# KiCad board Solder.kicad_pcb (continued)
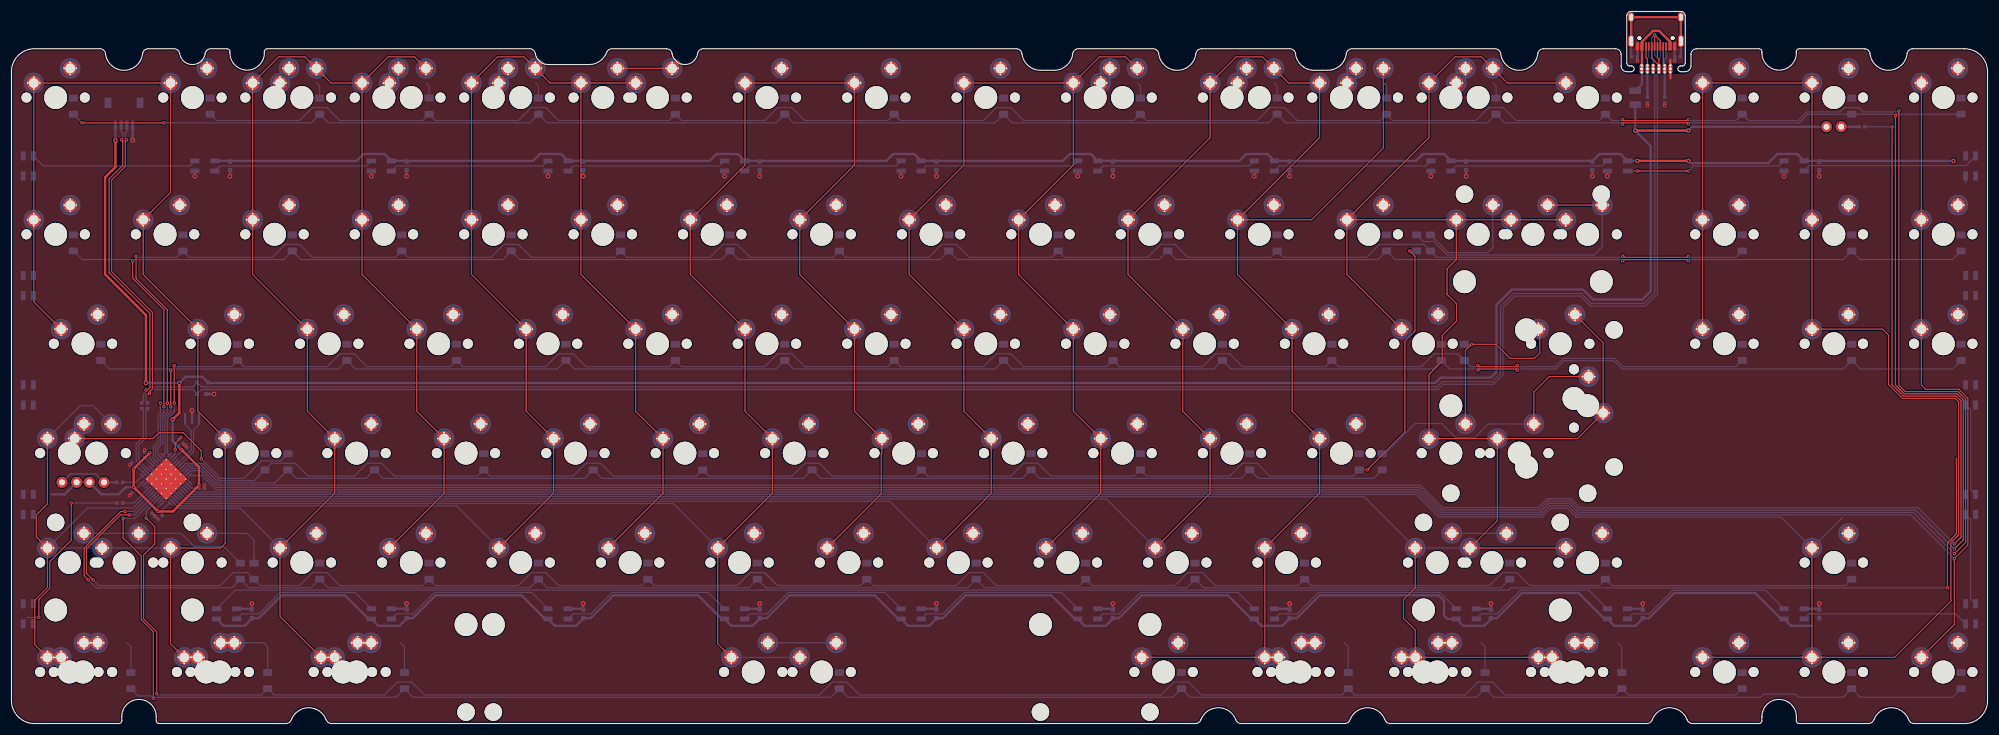
[diagram p0: board, top side]
## Copper pours and planes (outline as drawn; the poured copper is in the pictures) (continued)
C5 on Top: 238.93,111.58 238.93,111.68 238.93,111.78 238.94,111.87 238.96,111.96 238.97,112.04 238.99,112.12 239.01,112.19 239.04,112.25 239.07,112.32 239.1,112.37 239.13,112.43 239.16,112.48 239.2,112.53 239.24,112.58 239.59,112.97 239.63,113.03 239.68,113.09 239.73,113.15 239.77,113.21 239.82,113.28 239.86,113.36 239.91,113.44 239.95,113.52 238.83,114.69 237.7,113.52 237.74,113.44 237.79,113.36 237.83,113.28 237.88,113.21 237.93,113.15 237.97,113.09 238.02,113.03 238.07,112.97 238.41,112.58 238.45,112.53 238.49,112.48 238.52,112.43 238.56,112.37 238.59,112.32 238.61,112.25 238.64,112.19 238.66,112.12 238.68,112.04 238.7,111.96 238.71,111.87 238.72,111.78 238.72,111.68 238.73,111.58
C5 on Bottom: 197.31,32.25 197.38,32.18 197.45,32.1 197.51,32.03 197.56,31.96 197.6,31.89 197.64,31.83 197.68,31.76 197.71,31.7 197.73,31.63 197.75,31.57 197.77,31.51 197.78,31.45 197.79,31.38 197.8,31.32 197.83,30.8 197.83,30.73 197.84,30.65 197.85,30.58 197.87,30.5 197.88,30.42 197.9,30.33 197.93,30.25 197.96,30.15 199.58,30.12 199.55,31.75 199.46,31.77 199.37,31.8 199.29,31.82 199.21,31.84 199.13,31.85 199.05,31.86 198.98,31.87 198.9,31.88 198.38,31.91 198.32,31.91 198.26,31.92 198.2,31.94 198.13,31.95 198.07,31.97 198.01,32 197.94,32.03 197.88,32.06 197.81,32.1 197.74,32.15 197.67,32.2 197.6,32.26 197.53,32.32 197.45,32.4
C6 on Top: 276.99,56.55 276.98,56.44 276.98,56.34 276.97,56.25 276.96,56.17 276.94,56.08 276.92,56.01 276.9,55.94 276.87,55.87 276.84,55.81 276.81,55.75 276.78,55.7 276.75,55.64 276.71,55.59 276.67,55.54 276.32,55.15 276.28,55.1 276.23,55.04 276.18,54.98 276.14,54.91 276.09,54.84 276.05,54.77 276,54.69 275.96,54.6 277.09,53.43 278.21,54.6 278.17,54.69 278.12,54.77 278.08,54.84 278.03,54.91 277.99,54.98 277.94,55.04 277.89,55.1 277.85,55.15 277.5,55.54 277.46,55.59 277.42,55.64 277.39,55.7 277.36,55.75 277.33,55.81 277.3,55.87 277.27,55.94 277.25,56.01 277.23,56.08 277.22,56.17 277.2,56.25 277.19,56.34 277.19,56.44 277.19,56.55
C6 on Top: 234.97,87.81 234.86,87.82 234.76,87.82 234.67,87.83 234.58,87.84 234.5,87.86 234.43,87.88 234.36,87.9 234.29,87.93 234.23,87.96 234.17,87.99 234.11,88.02 234.06,88.05 234.01,88.09 233.96,88.13 233.57,88.48 233.51,88.52 233.46,88.57 233.4,88.62 233.33,88.66 233.26,88.71 233.19,88.75 233.11,88.8 233.02,88.84 231.85,87.71 233.02,86.59 233.11,86.63 233.19,86.68 233.26,86.72 233.33,86.77 233.4,86.81 233.46,86.86 233.51,86.91 233.57,86.95 233.96,87.3 234.01,87.34 234.06,87.38 234.11,87.41 234.17,87.44 234.23,87.47 234.29,87.5 234.36,87.53 234.43,87.55 234.5,87.57 234.58,87.58 234.67,87.6 234.76,87.61 234.86,87.61 234.97,87.61
C6 on Top: 258.56,87.61 258.67,87.61 258.77,87.61 258.86,87.6 258.95,87.58 259.03,87.57 259.1,87.55 259.17,87.53 259.24,87.5 259.3,87.47 259.36,87.44 259.41,87.41 259.47,87.38 259.52,87.34 259.57,87.3 259.96,86.95 260.01,86.91 260.07,86.86 260.13,86.81 260.2,86.77 260.27,86.72 260.34,86.68 260.42,86.63 260.51,86.59 261.68,87.71 260.51,88.84 260.42,88.8 260.34,88.75 260.27,88.71 260.2,88.66 260.13,88.62 260.07,88.57 260.01,88.52 259.96,88.48 259.57,88.13 259.52,88.09 259.47,88.05 259.41,88.02 259.36,87.99 259.3,87.96 259.24,87.93 259.17,87.9 259.1,87.88 259.03,87.86 258.95,87.84 258.86,87.83 258.77,87.82 258.67,87.82 258.56,87.81
C6 on Top: 249.04,87.61 249.14,87.61 249.24,87.61 249.33,87.6 249.42,87.58 249.5,87.57 249.58,87.55 249.65,87.53 249.71,87.5 249.77,87.47 249.83,87.44 249.89,87.41 249.94,87.38 249.99,87.34 250.04,87.3 250.43,86.95 250.49,86.91 250.55,86.86 250.61,86.81 250.67,86.77 250.74,86.72 250.82,86.68 250.9,86.63 250.98,86.59 252.15,87.71 250.98,88.84 250.9,88.8 250.82,88.75 250.74,88.71 250.67,88.66 250.61,88.62 250.55,88.57 250.49,88.52 250.43,88.48 250.04,88.13 249.99,88.09 249.94,88.05 249.89,88.02 249.83,87.99 249.77,87.96 249.71,87.93 249.65,87.9 249.58,87.88 249.5,87.86 249.42,87.84 249.33,87.83 249.24,87.82 249.14,87.82 249.04,87.81
C6 on Top: 254.02,87.81 253.91,87.82 253.81,87.82 253.72,87.83 253.63,87.84 253.55,87.86 253.48,87.88 253.41,87.9 253.34,87.93 253.28,87.96 253.22,87.99 253.16,88.02 253.11,88.05 253.06,88.09 253.01,88.13 252.62,88.48 252.56,88.52 252.51,88.57 252.45,88.62 252.38,88.66 252.31,88.71 252.24,88.75 252.16,88.8 252.07,88.84 250.9,87.71 252.07,86.59 252.16,86.63 252.24,86.68 252.31,86.72 252.38,86.77 252.45,86.81 252.51,86.86 252.56,86.91 252.62,86.95 253.01,87.3 253.06,87.34 253.11,87.38 253.16,87.41 253.22,87.44 253.28,87.47 253.34,87.5 253.41,87.53 253.48,87.55 253.55,87.57 253.63,87.58 253.72,87.6 253.81,87.61 253.91,87.61 254.02,87.61
C6 on Top: 263.54,87.81 263.44,87.82 263.34,87.82 263.24,87.83 263.16,87.84 263.08,87.86 263,87.88 262.93,87.9 262.87,87.93 262.8,87.96 262.74,87.99 262.69,88.02 262.64,88.05 262.58,88.09 262.54,88.13 262.15,88.48 262.09,88.52 262.03,88.57 261.97,88.62 261.91,88.66 261.84,88.71 261.76,88.75 261.68,88.8 261.6,88.84 260.43,87.71 261.6,86.59 261.68,86.63 261.76,86.68 261.84,86.72 261.91,86.77 261.97,86.81 262.03,86.86 262.09,86.91 262.15,86.95 262.54,87.3 262.58,87.34 262.64,87.38 262.69,87.41 262.74,87.44 262.8,87.47 262.87,87.5 262.93,87.53 263,87.55 263.08,87.57 263.16,87.58 263.24,87.6 263.34,87.61 263.44,87.61 263.54,87.61
C6 on Top: 268.09,87.61 268.19,87.61 268.29,87.61 268.38,87.6 268.47,87.58 268.55,87.57 268.63,87.55 268.7,87.53 268.76,87.5 268.82,87.47 268.88,87.44 268.94,87.41 268.99,87.38 269.04,87.34 269.09,87.3 269.48,86.95 269.54,86.91 269.6,86.86 269.66,86.81 269.72,86.77 269.79,86.72 269.87,86.68 269.95,86.63 270.03,86.59 271.2,87.71 270.03,88.84 269.95,88.8 269.87,88.75 269.79,88.71 269.72,88.66 269.66,88.62 269.6,88.57 269.54,88.52 269.48,88.48 269.09,88.13 269.04,88.09 268.99,88.05 268.94,88.02 268.88,87.99 268.82,87.96 268.76,87.93 268.7,87.9 268.63,87.88 268.55,87.86 268.47,87.84 268.38,87.83 268.29,87.82 268.19,87.82 268.09,87.81
C6 on Top: 255.6,32.4 255.52,32.32 255.45,32.26 255.38,32.2 255.3,32.15 255.24,32.1 255.17,32.06 255.1,32.03 255.04,32 254.98,31.97 254.91,31.95 254.85,31.94 254.79,31.92 254.73,31.91 254.67,31.91 254.14,31.88 254.07,31.87 254,31.86 253.92,31.85 253.84,31.84 253.76,31.82 253.68,31.8 253.59,31.77 253.5,31.75 253.47,30.12 255.09,30.15 255.12,30.25 255.14,30.33 255.16,30.42 255.18,30.5 255.19,30.58 255.21,30.65 255.21,30.73 255.22,30.8 255.25,31.32 255.26,31.38 255.27,31.45 255.28,31.51 255.3,31.57 255.32,31.63 255.34,31.7 255.37,31.76 255.4,31.83 255.44,31.89 255.49,31.96 255.54,32.03 255.6,32.1 255.67,32.18 255.74,32.25
C6 on Top: 268.09,30.46 268.19,30.46 268.29,30.46 268.38,30.45 268.47,30.43 268.55,30.42 268.63,30.4 268.7,30.38 268.76,30.35 268.82,30.32 268.88,30.29 268.94,30.26 268.99,30.23 269.04,30.19 269.09,30.15 269.48,29.8 269.54,29.76 269.6,29.71 269.66,29.66 269.72,29.62 269.79,29.57 269.87,29.53 269.95,29.48 270.03,29.44 271.2,30.56 270.03,31.69 269.95,31.65 269.87,31.6 269.79,31.56 269.72,31.51 269.66,31.47 269.6,31.42 269.54,31.37 269.48,31.33 269.09,30.98 269.04,30.94 268.99,30.9 268.94,30.87 268.88,30.84 268.82,30.81 268.76,30.78 268.7,30.75 268.63,30.73 268.55,30.71 268.47,30.69 268.38,30.68 268.29,30.67 268.19,30.67 268.09,30.66
C6 on Top: 258.77,47.12 258.77,47.23 258.78,47.33 258.79,47.42 258.8,47.51 258.82,47.59 258.84,47.66 258.86,47.73 258.88,47.8 258.91,47.86 258.94,47.92 258.97,47.98 259.01,48.03 259.04,48.08 259.08,48.13 259.43,48.52 259.48,48.58 259.52,48.63 259.57,48.7 259.62,48.76 259.66,48.83 259.71,48.9 259.75,48.98 259.8,49.07 258.67,50.24 257.55,49.07 257.59,48.98 257.63,48.9 257.68,48.83 257.72,48.76 257.77,48.7 257.82,48.63 257.86,48.58 257.91,48.52 258.26,48.13 258.3,48.08 258.33,48.03 258.37,47.98 258.4,47.92 258.43,47.86 258.46,47.8 258.48,47.73 258.5,47.66 258.52,47.59 258.54,47.51 258.55,47.42 258.56,47.33 258.57,47.23 258.57,47.12
C6 on Top: 240.17,70.35 240.24,70.28 240.31,70.2 240.37,70.13 240.42,70.06 240.47,69.99 240.51,69.93 240.54,69.86 240.57,69.8 240.59,69.73 240.61,69.67 240.63,69.61 240.64,69.55 240.65,69.48 240.66,69.42 240.69,68.9 240.7,68.83 240.7,68.75 240.71,68.68 240.73,68.6 240.75,68.52 240.77,68.43 240.79,68.35 240.82,68.25 242.44,68.22 242.41,69.85 242.32,69.87 242.23,69.9 242.15,69.92 242.07,69.94 241.99,69.95 241.91,69.96 241.84,69.97 241.77,69.98 241.24,70.01 241.18,70.01 241.12,70.02 241.06,70.04 241,70.05 240.93,70.07 240.87,70.1 240.81,70.13 240.74,70.16 240.67,70.2 240.6,70.25 240.53,70.3 240.46,70.36 240.39,70.42 240.31,70.5
C6 on Top: 232.58,85.22 232.58,85.33 232.58,85.43 232.59,85.52 232.61,85.61 232.62,85.69 232.64,85.76 232.66,85.83 232.69,85.9 232.72,85.96 232.75,86.02 232.78,86.08 232.81,86.13 232.85,86.18 232.89,86.23 233.24,86.62 233.28,86.68 233.33,86.73 233.38,86.8 233.42,86.86 233.47,86.93 233.51,87 233.56,87.08 233.6,87.17 232.48,88.34 231.35,87.17 231.39,87.08 231.44,87 231.48,86.93 231.53,86.86 231.58,86.8 231.62,86.73 231.67,86.68 231.72,86.62 232.06,86.23 232.1,86.18 232.14,86.13 232.17,86.08 232.21,86.02 232.24,85.96 232.26,85.9 232.29,85.83 232.31,85.76 232.33,85.69 232.35,85.61 232.36,85.52 232.37,85.43 232.37,85.33 232.38,85.22
C6 on Top: 275.4,52.23 275.47,52.3 275.55,52.37 275.62,52.43 275.69,52.48 275.76,52.52 275.82,52.56 275.89,52.6 275.95,52.63 276.02,52.65 276.08,52.67 276.14,52.69 276.2,52.7 276.27,52.71 276.33,52.72 276.85,52.75 276.92,52.75 277,52.76 277.07,52.77 277.15,52.79 277.23,52.8 277.32,52.82 277.4,52.85 277.5,52.88 277.53,54.5 275.9,54.47 275.87,54.38 275.85,54.29 275.83,54.21 275.81,54.13 275.8,54.05 275.79,53.97 275.78,53.9 275.77,53.82 275.74,53.3 275.74,53.24 275.73,53.18 275.71,53.12 275.7,53.05 275.68,52.99 275.65,52.93 275.62,52.86 275.59,52.8 275.55,52.73 275.5,52.66 275.45,52.59 275.39,52.52 275.33,52.45 275.25,52.37
C6 on Top: 249.25,49.71 249.15,49.72 249.05,49.72 248.96,49.73 248.87,49.74 248.79,49.76 248.71,49.78 248.64,49.8 248.58,49.83 248.52,49.86 248.46,49.89 248.4,49.92 248.35,49.95 248.3,49.99 248.25,50.03 247.86,50.38 247.8,50.42 247.74,50.47 247.68,50.52 247.62,50.56 247.55,50.61 247.47,50.65 247.39,50.7 247.31,50.74 246.14,49.61 247.31,48.49 247.39,48.53 247.47,48.58 247.55,48.62 247.62,48.67 247.68,48.71 247.74,48.76 247.8,48.81 247.86,48.85 248.25,49.2 248.3,49.24 248.35,49.28 248.4,49.31 248.46,49.34 248.52,49.37 248.58,49.4 248.64,49.43 248.71,49.45 248.79,49.47 248.87,49.48 248.96,49.5 249.05,49.51 249.15,49.51 249.25,49.51
C6 on Top: 261.16,49.71 261.05,49.72 260.95,49.72 260.86,49.73 260.78,49.74 260.7,49.76 260.62,49.78 260.55,49.8 260.48,49.83 260.42,49.86 260.36,49.89 260.31,49.92 260.25,49.95 260.2,49.99 260.15,50.03 259.76,50.38 259.71,50.42 259.65,50.47 259.59,50.52 259.52,50.56 259.45,50.61 259.38,50.65 259.3,50.7 259.22,50.74 258.05,49.61 259.22,48.49 259.3,48.53 259.38,48.58 259.45,48.62 259.52,48.67 259.59,48.71 259.65,48.76 259.71,48.81 259.76,48.85 260.15,49.2 260.2,49.24 260.25,49.28 260.31,49.31 260.36,49.34 260.42,49.37 260.48,49.4 260.55,49.43 260.62,49.45 260.7,49.47 260.78,49.48 260.86,49.5 260.95,49.51 261.05,49.51 261.16,49.51
C6 on Top: 256.18,49.51 256.29,49.51 256.39,49.51 256.48,49.5 256.56,49.48 256.64,49.47 256.72,49.45 256.79,49.43 256.86,49.4 256.92,49.37 256.98,49.34 257.03,49.31 257.09,49.28 257.14,49.24 257.19,49.2 257.58,48.85 257.63,48.81 257.69,48.76 257.75,48.71 257.82,48.67 257.89,48.62 257.96,48.58 258.04,48.53 258.13,48.49 259.3,49.61 258.13,50.74 258.04,50.7 257.96,50.65 257.89,50.61 257.82,50.56 257.75,50.52 257.69,50.47 257.63,50.42 257.58,50.38 257.19,50.03 257.14,49.99 257.09,49.95 257.03,49.92 256.98,49.89 256.92,49.86 256.86,49.83 256.79,49.8 256.72,49.78 256.64,49.76 256.56,49.74 256.48,49.73 256.39,49.72 256.29,49.72 256.18,49.71
C6 on Top: 274,69.51 273.92,69.59 273.86,69.67 273.8,69.74 273.75,69.81 273.7,69.88 273.66,69.94 273.63,70.01 273.6,70.07 273.57,70.14 273.55,70.2 273.54,70.26 273.52,70.32 273.51,70.38 273.51,70.45 273.48,70.97 273.47,71.04 273.46,71.12 273.45,71.19 273.44,71.27 273.42,71.35 273.4,71.44 273.37,71.52 273.34,71.61 271.72,71.65 271.75,70.02 271.84,69.99 271.93,69.97 272.02,69.95 272.1,69.93 272.18,69.92 272.25,69.91 272.33,69.9 272.4,69.89 272.92,69.86 272.98,69.86 273.05,69.85 273.11,69.83 273.17,69.82 273.23,69.8 273.3,69.77 273.36,69.74 273.43,69.71 273.49,69.67 273.56,69.62 273.63,69.57 273.7,69.51 273.78,69.45 273.85,69.37
C6 on Top: 256.4,30.66 256.29,30.67 256.19,30.67 256.1,30.68 256.01,30.69 255.93,30.71 255.86,30.73 255.79,30.75 255.72,30.78 255.66,30.81 255.6,30.84 255.55,30.87 255.49,30.9 255.44,30.94 255.39,30.98 255,31.33 254.95,31.37 254.89,31.42 254.83,31.47 254.76,31.51 254.69,31.56 254.62,31.6 254.54,31.65 254.45,31.69 253.28,30.56 254.45,29.44 254.54,29.48 254.62,29.53 254.69,29.57 254.76,29.62 254.83,29.66 254.89,29.71 254.95,29.76 255,29.8 255.39,30.15 255.44,30.19 255.49,30.23 255.55,30.26 255.6,30.29 255.66,30.32 255.72,30.35 255.79,30.38 255.86,30.4 255.93,30.42 256.01,30.43 256.1,30.45 256.19,30.46 256.29,30.46 256.4,30.46
C6 on Top: 244.48,28.07 244.48,28.18 244.49,28.28 244.5,28.37 244.51,28.46 244.53,28.54 244.55,28.61 244.57,28.68 244.6,28.75 244.62,28.81 244.65,28.87 244.69,28.93 244.72,28.98 244.76,29.03 244.8,29.08 245.14,29.47 245.19,29.53 245.24,29.58 245.28,29.65 245.33,29.71 245.38,29.78 245.42,29.85 245.46,29.93 245.51,30.02 244.38,31.19 243.26,30.02 243.3,29.93 243.35,29.85 243.39,29.78 243.44,29.71 243.48,29.65 243.53,29.58 243.57,29.53 243.62,29.47 243.97,29.08 244.01,29.03 244.05,28.98 244.08,28.93 244.11,28.87 244.14,28.81 244.17,28.75 244.19,28.68 244.22,28.61 244.24,28.54 244.25,28.46 244.27,28.37 244.28,28.28 244.28,28.18 244.28,28.07
C6 on Top: 244.28,14 244.28,13.9 244.28,13.8 244.27,13.71 244.25,13.62 244.24,13.54 244.22,13.46 244.19,13.39 244.17,13.33 244.14,13.27 244.11,13.21 244.08,13.15 244.05,13.1 244.01,13.05 243.97,13 243.62,12.61 243.57,12.55 243.53,12.49 243.48,12.43 243.44,12.37 243.39,12.3 243.35,12.22 243.3,12.14 243.26,12.06 244.38,10.89 245.51,12.06 245.46,12.14 245.42,12.22 245.38,12.3 245.33,12.37 245.28,12.43 245.24,12.49 245.19,12.55 245.14,12.61 244.8,13 244.76,13.05 244.72,13.1 244.69,13.15 244.65,13.21 244.62,13.27 244.6,13.33 244.57,13.39 244.55,13.46 244.53,13.54 244.51,13.62 244.5,13.71 244.49,13.8 244.48,13.9 244.48,14
C6 on Top: 263.32,11.41 263.43,11.41 263.53,11.41 263.62,11.4 263.71,11.38 263.79,11.37 263.86,11.35 263.93,11.33 264,11.3 264.06,11.27 264.12,11.24 264.18,11.21 264.23,11.18 264.28,11.14 264.33,11.1 264.72,10.75 264.78,10.71 264.83,10.66 264.9,10.61 264.96,10.57 265.03,10.52 265.1,10.48 265.18,10.43 265.27,10.39 266.44,11.51 265.27,12.64 265.18,12.6 265.1,12.55 265.03,12.51 264.96,12.46 264.9,12.42 264.83,12.37 264.78,12.32 264.72,12.28 264.33,11.93 264.28,11.89 264.23,11.85 264.18,11.82 264.12,11.79 264.06,11.76 264,11.73 263.93,11.7 263.86,11.68 263.79,11.66 263.71,11.64 263.62,11.63 263.53,11.62 263.43,11.62 263.32,11.61
C6 on Top: 246.87,11.61 246.77,11.62 246.67,11.62 246.58,11.63 246.49,11.64 246.41,11.66 246.33,11.68 246.26,11.7 246.2,11.73 246.13,11.76 246.08,11.79 246.02,11.82 245.97,11.85 245.92,11.89 245.87,11.93 245.48,12.28 245.42,12.32 245.36,12.37 245.3,12.42 245.24,12.46 245.17,12.51 245.09,12.55 245.01,12.6 244.93,12.64 243.76,11.51 244.93,10.39 245.01,10.43 245.09,10.48 245.17,10.52 245.24,10.57 245.3,10.61 245.36,10.66 245.42,10.71 245.48,10.75 245.87,11.1 245.92,11.14 245.97,11.18 246.02,11.21 246.08,11.24 246.13,11.27 246.2,11.3 246.26,11.33 246.33,11.35 246.41,11.37 246.49,11.38 246.58,11.4 246.67,11.41 246.77,11.41 246.87,11.41
C6 on Top: 234.17,89.55 234.09,89.47 234.02,89.41 233.94,89.35 233.87,89.3 233.81,89.25 233.74,89.21 233.67,89.18 233.61,89.15 233.55,89.12 233.48,89.1 233.42,89.09 233.36,89.07 233.3,89.06 233.23,89.06 232.71,89.03 232.64,89.02 232.57,89.01 232.49,89 232.41,88.99 232.33,88.97 232.24,88.95 232.16,88.92 232.07,88.9 232.03,87.27 233.66,87.3 233.69,87.4 233.71,87.48 233.73,87.57 233.75,87.65 233.76,87.73 233.77,87.8 233.78,87.88 233.79,87.95 233.82,88.47 233.83,88.53 233.84,88.6 233.85,88.66 233.87,88.72 233.89,88.78 233.91,88.85 233.94,88.91 233.97,88.98 234.01,89.04 234.06,89.11 234.11,89.18 234.17,89.25 234.23,89.33 234.31,89.4
C6 on Top: 251.63,85.22 251.63,85.33 251.63,85.43 251.64,85.52 251.66,85.61 251.67,85.69 251.69,85.76 251.71,85.83 251.74,85.9 251.77,85.96 251.8,86.02 251.83,86.08 251.86,86.13 251.9,86.18 251.94,86.23 252.29,86.62 252.33,86.68 252.38,86.73 252.43,86.8 252.47,86.86 252.52,86.93 252.56,87 252.61,87.08 252.65,87.17 251.53,88.34 250.4,87.17 250.44,87.08 250.49,87 250.53,86.93 250.58,86.86 250.63,86.8 250.67,86.73 250.72,86.68 250.77,86.62 251.11,86.23 251.15,86.18 251.19,86.13 251.22,86.08 251.26,86.02 251.29,85.96 251.31,85.9 251.34,85.83 251.36,85.76 251.38,85.69 251.4,85.61 251.41,85.52 251.42,85.43 251.42,85.33 251.43,85.22
C6 on Top: 246.66,52.1 246.66,52 246.66,51.9 246.65,51.81 246.63,51.72 246.62,51.64 246.6,51.56 246.58,51.49 246.55,51.43 246.52,51.37 246.49,51.31 246.46,51.25 246.43,51.2 246.39,51.15 246.35,51.1 246,50.71 245.96,50.65 245.91,50.59 245.86,50.53 245.82,50.47 245.77,50.4 245.73,50.32 245.68,50.24 245.64,50.16 246.76,48.99 247.89,50.16 247.85,50.24 247.8,50.32 247.76,50.4 247.71,50.47 247.66,50.53 247.62,50.59 247.57,50.65 247.53,50.71 247.18,51.1 247.14,51.15 247.1,51.2 247.07,51.25 247.03,51.31 247,51.37 246.98,51.43 246.95,51.49 246.93,51.56 246.91,51.64 246.89,51.72 246.88,51.81 246.87,51.9 246.87,52 246.86,52.1
C6 on Top: 259.71,112.38 259.63,112.45 259.57,112.53 259.51,112.6 259.46,112.67 259.41,112.74 259.37,112.81 259.34,112.87 259.31,112.94 259.29,113 259.27,113.06 259.25,113.12 259.24,113.19 259.23,113.25 259.22,113.31 259.19,113.83 259.18,113.9 259.17,113.98 259.16,114.05 259.15,114.13 259.13,114.21 259.11,114.3 259.09,114.39 259.06,114.48 257.43,114.51 257.47,112.89 257.56,112.86 257.64,112.83 257.73,112.81 257.81,112.79 257.89,112.78 257.97,112.77 258.04,112.76 258.11,112.76 258.63,112.73 258.7,112.72 258.76,112.71 258.82,112.69 258.88,112.68 258.95,112.66 259.01,112.63 259.07,112.6 259.14,112.57 259.21,112.53 259.27,112.49 259.34,112.43 259.42,112.38 259.49,112.31 259.57,112.24
C6 on Top: 246.86,109.04 246.87,109.14 246.87,109.24 246.88,109.33 246.89,109.42 246.91,109.5 246.93,109.58 246.95,109.65 246.98,109.71 247,109.78 247.03,109.83 247.07,109.89 247.1,109.94 247.14,109.99 247.18,110.04 247.53,110.43 247.57,110.49 247.62,110.55 247.66,110.61 247.71,110.67 247.76,110.74 247.8,110.82 247.85,110.9 247.89,110.98 246.76,112.15 245.64,110.98 245.68,110.9 245.73,110.82 245.77,110.74 245.82,110.67 245.86,110.61 245.91,110.55 245.96,110.49 246,110.43 246.35,110.04 246.39,109.99 246.43,109.94 246.46,109.89 246.49,109.83 246.52,109.78 246.55,109.71 246.58,109.65 246.6,109.58 246.62,109.5 246.63,109.42 246.65,109.33 246.66,109.24 246.66,109.14 246.66,109.04
C6 on Top: 268.09,111.43 268.19,111.43 268.29,111.42 268.38,111.41 268.47,111.4 268.55,111.38 268.63,111.36 268.7,111.34 268.76,111.31 268.82,111.29 268.88,111.26 268.94,111.22 268.99,111.19 269.04,111.15 269.09,111.11 269.48,110.77 269.54,110.72 269.6,110.67 269.66,110.63 269.72,110.58 269.79,110.53 269.87,110.49 269.95,110.45 270.03,110.4 271.2,111.53 270.03,112.65 269.95,112.61 269.87,112.56 269.79,112.52 269.72,112.47 269.66,112.43 269.6,112.38 269.54,112.33 269.48,112.29 269.09,111.94 269.04,111.9 268.99,111.86 268.94,111.83 268.88,111.8 268.82,111.77 268.76,111.74 268.7,111.71 268.63,111.69 268.55,111.67 268.47,111.66 268.38,111.64 268.29,111.63 268.19,111.63 268.09,111.63
C6 on Top: 256.05,115.76 256.12,115.68 256.18,115.61 256.24,115.53 256.3,115.46 256.34,115.4 256.38,115.33 256.41,115.26 256.44,115.2 256.47,115.14 256.49,115.07 256.5,115.01 256.52,114.95 256.53,114.89 256.54,114.82 256.56,114.3 256.57,114.23 256.58,114.16 256.59,114.08 256.6,114 256.62,113.92 256.64,113.84 256.67,113.75 256.7,113.66 258.32,113.63 258.29,115.25 258.2,115.28 258.11,115.3 258.02,115.32 257.94,115.34 257.86,115.35 257.79,115.36 257.71,115.37 257.64,115.38 257.12,115.41 257.06,115.42 257,115.43 256.93,115.44 256.87,115.46 256.81,115.48 256.74,115.5 256.68,115.53 256.61,115.56 256.55,115.6 256.48,115.65 256.41,115.7 256.34,115.76 256.26,115.82 256.19,115.9
C6 on Top: 248.45,113.36 248.38,113.28 248.3,113.22 248.23,113.16 248.16,113.11 248.09,113.06 248.03,113.02 247.96,112.99 247.9,112.96 247.83,112.94 247.77,112.92 247.71,112.9 247.65,112.89 247.58,112.88 247.52,112.87 247,112.84 246.93,112.83 246.85,112.82 246.78,112.81 246.7,112.8 246.62,112.78 246.53,112.76 246.44,112.74 246.35,112.71 246.32,111.09 247.94,111.12 247.97,111.21 248,111.3 248.02,111.38 248.04,111.46 248.05,111.54 248.06,111.62 248.07,111.69 248.08,111.76 248.11,112.28 248.11,112.35 248.12,112.41 248.14,112.47 248.15,112.53 248.17,112.6 248.2,112.66 248.23,112.72 248.26,112.79 248.3,112.86 248.35,112.92 248.4,112.99 248.46,113.07 248.52,113.14 248.6,113.22
C6 on Bottom: 242.55,32.25 242.63,32.18 242.69,32.1 242.75,32.03 242.8,31.96 242.85,31.89 242.89,31.83 242.92,31.76 242.95,31.7 242.97,31.63 242.99,31.57 243.01,31.51 243.02,31.45 243.03,31.38 243.04,31.32 243.07,30.8 243.08,30.73 243.09,30.65 243.1,30.58 243.11,30.5 243.13,30.42 243.15,30.33 243.17,30.25 243.2,30.15 244.82,30.12 244.79,31.75 244.7,31.77 244.61,31.8 244.53,31.82 244.45,31.84 244.37,31.85 244.29,31.86 244.22,31.87 244.15,31.88 243.63,31.91 243.56,31.91 243.5,31.92 243.44,31.94 243.38,31.95 243.31,31.97 243.25,32 243.19,32.03 243.12,32.06 243.05,32.1 242.99,32.15 242.92,32.2 242.84,32.26 242.77,32.32 242.69,32.4
C6 on Bottom: 246.87,30.66 246.77,30.67 246.67,30.67 246.58,30.68 246.49,30.69 246.41,30.71 246.33,30.73 246.26,30.75 246.2,30.78 246.13,30.81 246.08,30.84 246.02,30.87 245.97,30.9 245.92,30.94 245.87,30.98 245.48,31.33 245.42,31.37 245.36,31.42 245.3,31.47 245.24,31.51 245.17,31.56 245.09,31.6 245.01,31.65 244.93,31.69 243.76,30.56 244.93,29.44 245.01,29.48 245.09,29.53 245.17,29.57 245.24,29.62 245.3,29.66 245.36,29.71 245.42,29.76 245.48,29.8 245.87,30.15 245.92,30.19 245.97,30.23 246.02,30.26 246.08,30.29 246.13,30.32 246.2,30.35 246.26,30.38 246.33,30.4 246.41,30.42 246.49,30.43 246.58,30.45 246.67,30.46 246.77,30.46 246.87,30.46
C6 on Bottom: 251.42,30.46 251.52,30.46 251.62,30.46 251.72,30.45 251.8,30.43 251.88,30.42 251.96,30.4 252.03,30.38 252.09,30.35 252.16,30.32 252.21,30.29 252.27,30.26 252.32,30.23 252.37,30.19 252.42,30.15 252.81,29.8 252.87,29.76 252.93,29.71 252.99,29.66 253.05,29.62 253.12,29.57 253.2,29.53 253.28,29.48 253.36,29.44 254.53,30.56 253.36,31.69 253.28,31.65 253.2,31.6 253.12,31.56 253.05,31.51 252.99,31.47 252.93,31.42 252.87,31.37 252.81,31.33 252.42,30.98 252.37,30.94 252.32,30.9 252.27,30.87 252.21,30.84 252.16,30.81 252.09,30.78 252.03,30.75 251.96,30.73 251.88,30.71 251.8,30.69 251.72,30.68 251.62,30.67 251.52,30.67 251.42,30.66
C7 on Top: 294.49,85.22 294.49,85.33 294.5,85.43 294.51,85.52 294.52,85.61 294.54,85.69 294.55,85.76 294.58,85.83 294.6,85.9 294.63,85.96 294.66,86.02 294.69,86.08 294.73,86.13 294.76,86.18 294.8,86.23 295.15,86.62 295.2,86.68 295.24,86.73 295.29,86.8 295.34,86.86 295.38,86.93 295.43,87 295.47,87.08 295.51,87.17 294.39,88.34 293.26,87.17 293.31,87.08 293.35,87 293.4,86.93 293.44,86.86 293.49,86.8 293.53,86.73 293.58,86.68 293.63,86.62 293.98,86.23 294.01,86.18 294.05,86.13 294.09,86.08 294.12,86.02 294.15,85.96 294.18,85.9 294.2,85.83 294.22,85.76 294.24,85.69 294.26,85.61 294.27,85.52 294.28,85.43 294.29,85.33 294.29,85.22
C7 on Top: 313.34,14 313.34,13.9 313.33,13.8 313.32,13.71 313.31,13.62 313.29,13.54 313.27,13.46 313.25,13.39 313.23,13.33 313.2,13.27 313.17,13.21 313.14,13.15 313.1,13.1 313.06,13.05 313.03,13 312.68,12.61 312.63,12.55 312.58,12.49 312.54,12.43 312.49,12.37 312.45,12.3 312.4,12.22 312.36,12.14 312.31,12.06 313.44,10.89 314.56,12.06 314.52,12.14 314.48,12.22 314.43,12.3 314.39,12.37 314.34,12.43 314.29,12.49 314.25,12.55 314.2,12.61 313.85,13 313.81,13.05 313.78,13.1 313.74,13.15 313.71,13.21 313.68,13.27 313.65,13.33 313.63,13.39 313.6,13.46 313.59,13.54 313.57,13.62 313.56,13.71 313.55,13.8 313.54,13.9 313.54,14
C7 on Top: 313.54,28.07 313.54,28.18 313.55,28.28 313.56,28.37 313.57,28.46 313.59,28.54 313.6,28.61 313.63,28.68 313.65,28.75 313.68,28.81 313.71,28.87 313.74,28.93 313.78,28.98 313.81,29.03 313.85,29.08 314.2,29.47 314.25,29.53 314.29,29.58 314.34,29.65 314.39,29.71 314.43,29.78 314.48,29.85 314.52,29.93 314.56,30.02 313.44,31.19 312.31,30.02 312.36,29.93 312.4,29.85 312.45,29.78 312.49,29.71 312.54,29.65 312.58,29.58 312.63,29.53 312.68,29.47 313.03,29.08 313.06,29.03 313.1,28.98 313.14,28.93 313.17,28.87 313.2,28.81 313.23,28.75 313.25,28.68 313.27,28.61 313.29,28.54 313.31,28.46 313.32,28.37 313.33,28.28 313.34,28.18 313.34,28.07
C7 on Top: 313.34,71.15 313.34,71.05 313.33,70.95 313.32,70.86 313.31,70.77 313.29,70.69 313.27,70.61 313.25,70.54 313.23,70.48 313.2,70.42 313.17,70.36 313.14,70.3 313.1,70.25 313.06,70.2 313.03,70.15 312.68,69.76 312.63,69.7 312.58,69.64 312.54,69.58 312.49,69.52 312.45,69.45 312.4,69.37 312.36,69.29 312.31,69.21 313.44,68.04 314.56,69.21 314.52,69.29 314.48,69.37 314.43,69.45 314.39,69.52 314.34,69.58 314.29,69.64 314.25,69.7 314.2,69.76 313.85,70.15 313.81,70.2 313.78,70.25 313.74,70.3 313.71,70.36 313.68,70.42 313.65,70.48 313.63,70.54 313.6,70.61 313.59,70.69 313.57,70.77 313.56,70.86 313.55,70.95 313.54,71.05 313.54,71.15